# Altium PCB PCB v0.2.PcbDoc (part 1 of 2) (continued)
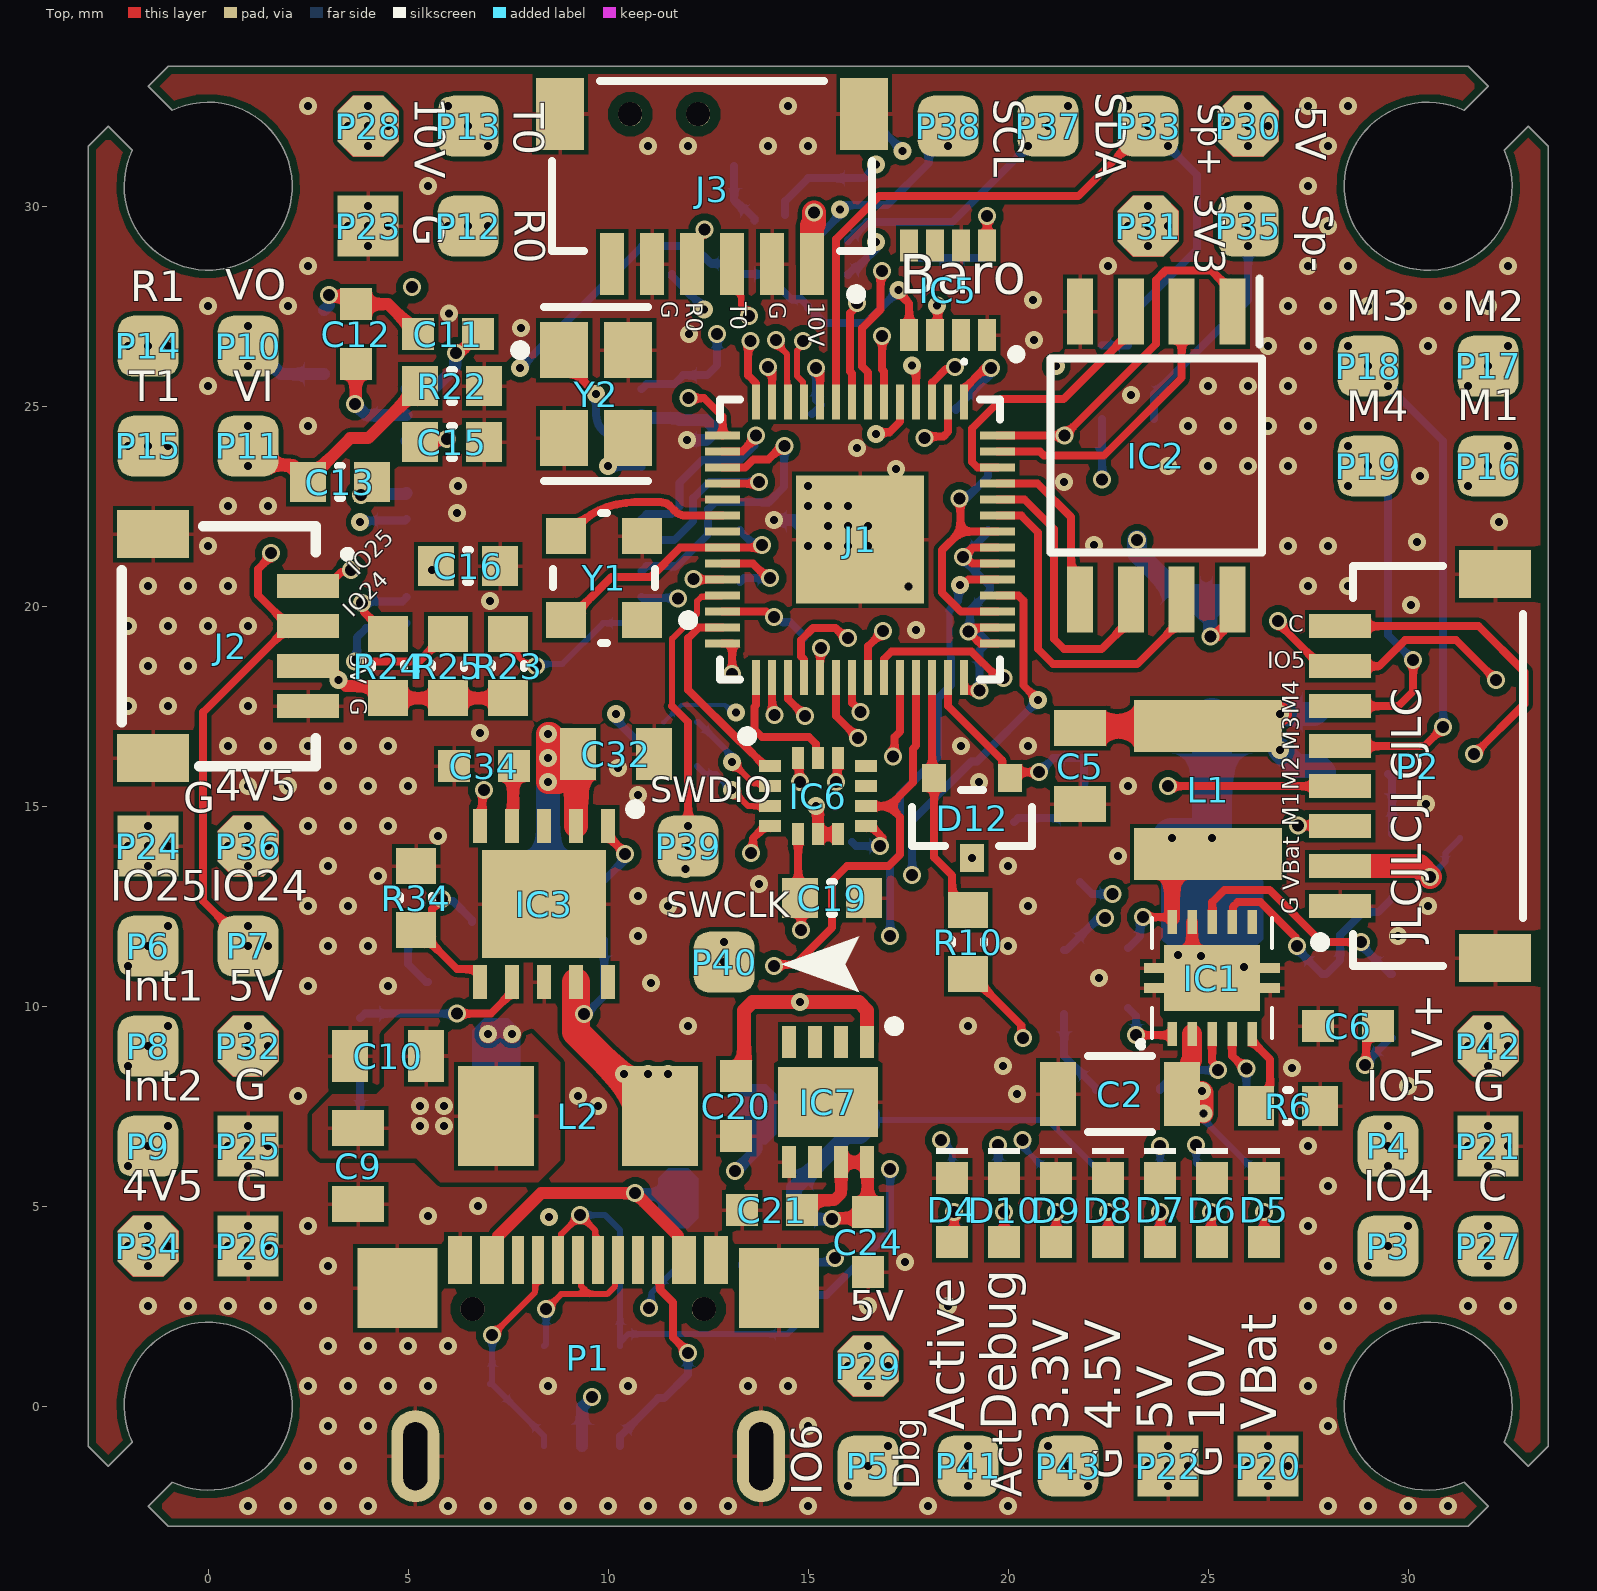
[diagram p0: Top view]
## Components (designator, comment, footprint, x,y, rotation, side; value= is the part's Value field where it differs from the comment) (continued)
R37 "0R" RESC1005X40X25NL05T10 11.8,17.1 r0 bottom
R38 "1K" RESC0603(1608)_N 31.3,15 r270 bottom
R39 "0R" RESC1005X40X25NL05T10 11.8,16 r0 bottom
R40 "1K" RESC1005X40X25NL05T10 14.023,29.777 r0 bottom
S1 "Tactile Switch" "Tactile Switch" 11.4,31 r0 bottom
U1 "SN74AHC1G00QDCKRQ1" FP-DCK0005A-IPC_A 23,25.6 r270 bottom
Y1 "DSC1001CI1-025.0000" FP-CDFN3225-4LD-PL-1-MFG 9.9,20.7 r90 top
Y2 "NX3225SA-12.000M-STD-CRS-2" FP-NX3225SA-MFG 9.7,25.3 r270 top

## Footprints (in the part's own frame and the unit in brackets; to place one, negate y for a bottom-side part, rotate by r counter-clockwise, add the part's x,y. Pads: shape width x height; smd on the part's side, far side on the other; paste and mask are expansions set on the pad)
CAPC0603(1608)55_N#1 [mm] "Chip Capacitor, Body 1.6x0.8mm, Height 0.55mm, IPC Medium Density"
  rect 0.9x1 smd: 1(-0.8,0) 2(0.8,0)
  silkscreen extent -0.05,-0.4 0.05,0.4, body extent -0.87,-0.48 0.88,0.47, height 0.55
CAPC0603(1608)55_N#2 [mm] "Chip Capacitor, Body 1.6x0.8mm, Height 0.55mm, IPC Medium Density"
  rect 0.9x1 smd: 1(-0.8,0)
  rect 0.8x1 smd: 2(0.85,0)
  silkscreen extent -0.05,-0.4 0.05,0.4, body extent -0.87,-0.48 0.88,0.47, height 0.55
FAUL0518-2R2MT [mm]
  rect 2.5x1.9 smd: 1(0,2.05) 2(0,-2.05)
  body extent -2.6,-2.7 2.6,2.7, height 1.6
FP-CDFN3225-4LD-PL-1-MFG [mm]
  rect 0.9x1 smd paste+0 mask+0: 1(-1.05,-0.95) 2(1.05,-0.95) 3(1.05,0.95) 4(-1.05,0.95)
  silkscreen extent -1.63,-2.23 1.63,1.28, body extent -1.73,-1.55 1.73,1.55, height 0.25
FP-DCK0005A-IPC_A [mm]
  rect 1.677x0.416 smd paste+0 mask+0: 1(-0.914,0.65)
  rrect100% 1.677x0.416 smd paste+0 mask+0: 2(-0.914,0) 3(-0.914,-0.65) 4(0.914,-0.65) 5(0.914,0.65)
  silkscreen extent -2.45,-1.25 1.05,1.25
FP-NX3225SA-MFG [mm]
  rect 1.4x1.2 smd paste+0 mask+0: 1(-1.1,-0.8) 2(1.1,-0.8) 3(1.1,0.8) 4(-1.1,0.8)
  silkscreen extent -2.17,-2.02 2.17,1.3, body extent -1.9,-1.5 1.9,1.5, height 0.25
FP-SOT23-MFG [mm]
  rect 0.7x0.6 smd paste-1000 mask+0: 1(-1,0.95) 2(-1,-0.95) 3(1,0)
  silkscreen extent -0.7,-1.5 0.7,1.5, body extent -1.5,-1.65 1.5,1.65, height 0.25
GT-USB-7047B [mm]
  rect 0.6x1.2 smd: 1(-3.2,4.9) 2(-2.4,4.9) 11(2.4,4.9) 12(3.2,4.9)
  rect 0.3x1.2 smd: 3(-1.75,4.9) 4(-1.25,4.9) 5(-0.75,4.9) 6(-0.25,4.9) 7(0.25,4.9) 8(0.75,4.9) 9(1.25,4.9) 10(1.75,4.9)
  oval 1.2x2.3 hole 0.6 slot 1.7 at 90 deg: 13(-4.32,0) 14(4.32,0)
  rect 2x2 smd: 15(-4.77,4.2) 16(4.77,4.2)
  round 0.6 hole 0.6 unplated: 17(-2.89,3.68) 17(2.89,3.68)
  body extent -4.3,-1.2 4.4,4.9, height 2.4
GZP6816D [mm]
  rect 0.8x0.45 smd: 1(1.125,0.975) 2(1.125,0.325) 3(1.125,-0.325) 4(1.125,-0.975) 5(-1.117,-0.975) 6(-1.117,-0.325) 7(-1.117,0.325) 8(-1.117,0.975)
  silkscreen extent 1.5,1.6 1.7,1.8
JST-SM06B-SRSS-TB_V [mm] "SMD, 6-Leads, Body 8x4.25mm, Pitch 1mm"
  rect 0.6x1.55 smd: 1(-2.5,2.45) 2(-1.5,2.45) 3(-0.5,2.45) 4(0.5,2.45) 5(1.5,2.45) 6(2.5,2.45)
  rect 1.2x1.8 smd: MP1(-3.8,-1.3) MP2(3.8,-1.3)
  silkscreen extent -4,-2.12 4,3.32, body extent -4,-2.12 4,2.83, height 2.96
JST-SM08B-SRSS-TB_V [mm] "SMD, 8-Leads, Body 10x4.25mm, Pitch 1mm"
  rect 0.6x1.55 smd: 1(-3.5,2.45) 2(-2.5,2.45) 3(-1.5,2.45) 4(-0.5,2.45) 5(0.5,2.45) 6(1.5,2.45) 7(2.5,2.45) 8(3.5,2.45)
  rect 1.2x1.8 smd: MP1(-4.8,-1.425) MP2(4.8,-1.425)
  silkscreen extent -5,-2.12 5,3.07, body extent -5,-2.12 5,2.83, height 2.96
MAI4020S-4R7MT [mm]
  rect 3.7x1.3 smd: 1(0,1.6) 2(0,-1.6)
  body extent -2,-2 2,2, height 2
QFN50P300X250X87-14N [mm]
  rect 0.55x0.3 smd: 1(-1.2,0.75) 2(-1.2,0.25) 3(-1.2,-0.25) 4(-1.2,-0.75) 8(1.2,-0.75) 9(1.2,-0.25) 10(1.2,0.25) 11(1.2,0.75)
  rect 0.3x0.55 smd: 5(-0.5,-0.95) 6(0,-0.95) 7(0.5,-0.95) 12(0.5,0.95) 13(0,0.95) 14(-0.5,0.95)
  silkscreen extent -1.9,1.38 -1.65,1.62, body extent -1.55,-1.3 1.55,1.3, height 0.87
RESC0603(1608)_N [mm] "Chip Resistor, Body 1.6x0.8mm, IPC Medium Density"
  rect 0.9x1 smd: 1(-0.8,0) 2(0.8,0)
  silkscreen extent -0.05,-0.4 0.05,0.4, body extent -0.85,-0.47 0.85,0.47, height 0.6
RESC1005X40X25NL05T10 [mm] "Chip Resistor, 2-Leads, Body 1.00x0.50mm, IPC Medium Density"
  rect 0.6x0.55 smd: 1(-0.425,0) 2(0.425,0)
  body extent -0.53,-0.27 0.53,0.28, height 0.4
SC091413 [mm]
  rect 0.875x0.2 smd: 1(-3.438,2.6) 2(-3.438,2.2) 3(-3.438,1.8) 4(-3.438,1.4) 5(-3.438,1) 6(-3.438,0.6) 7(-3.438,0.2) 8(-3.438,-0.2) 9(-3.438,-0.6) 10(-3.438,-1) 11(-3.438,-1.4) 12(-3.438,-1.8) 13(-3.438,-2.2) 14(-3.438,-2.6) 29(3.438,-2.6) 30(3.438,-2.2) 31(3.438,-1.8) 32(3.438,-1.4) 33(3.438,-1) 34(3.438,-0.6) 35(3.438,-0.2) 36(3.438,0.2) 37(3.438,0.6) 38(3.438,1) 39(3.438,1.4) 40(3.438,1.8) 41(3.438,2.2) 42(3.438,2.6)
  rect 0.2x0.875 smd: 15(-2.6,-3.438) 16(-2.2,-3.438) 17(-1.8,-3.438) 18(-1.4,-3.438) 19(-1,-3.438) 20(-0.6,-3.438) 21(-0.2,-3.438) 22(0.2,-3.438) 23(0.6,-3.438) 24(1,-3.438) 25(1.4,-3.438) 26(1.8,-3.438) 27(2.2,-3.438) 28(2.6,-3.438) 43(2.6,3.438) 44(2.2,3.438) 45(1.8,3.438) 46(1.4,3.438) 47(1,3.438) 48(0.6,3.438) 49(0.2,3.438) 50(-0.2,3.438) 51(-0.6,3.438) 52(-1,3.438) 53(-1.4,3.438) 54(-1.8,3.438) 55(-2.2,3.438) 56(-2.6,3.438)
  rect 3.2x3.2 smd: 57(0,0)
  silkscreen extent -4.5,-3.5 3.5,3.5, body extent -3.86,-3.86 3.86,3.86, height 1
SL16 [mm]
  round 0.025 smd: 1(-1.45,0)
  rect 1x1.5 smd: 2(1.45,0)
  Top region: -1.95,-0.5 -1.7,-0.75 -1.2,-0.75 -0.95,-0.5 -0.95,0.5 -1.2,0.75 -1.7,0.75 -1.95,0.5
  silkscreen extent 2.2,-0.9 2.2,0.9, body extent -1.4,-0.95 1.4,0.95, height 1.1
SM04B-SRSS-TB(LFSN) [mm]
  rect 0.6x1.55 smd: 1(1.5,4.661) 2(2.5,4.661) 3(3.5,4.661) 4(4.5,4.661)
  rect 1.2x1.8 smd: 5(0.2,0.786) 6(5.8,0.786)
  silkscreen extent 0,0 6,5.7, body extent 0,0.28 6,5.23, height 2.97
SOIC127P790X216-8N [mm]
  rect 1.65x0.65 smd: 1(-3.6,1.905) 2(-3.6,0.635) 3(-3.6,-0.635) 4(-3.6,-1.905) 5(3.6,-1.905) 6(3.6,-0.635) 7(3.6,0.635) 8(3.6,1.905)
  silkscreen extent -4.43,-2.64 2.42,2.64, body extent -3.95,-2.64 3.95,2.64, height 2.16
"solder pad double sided chamfered" [mil]
  oct 60x60 smd: 1(0,0)
  round 1 smd far side: 2(0,0)
  Top region: -15,-30 -30,-15 -30,15 -15,30 15,30 30,15 30,-15 15,-30
  Bottom region: -15,-30 -30,-15 -30,15 -15,30 15,30 30,15 30,-15 15,-30
"solder pad double sided rounded - duplicate" [mil]
  rrect50% 60x60 smd: 1(0,0)
  rrect50% 60x60 smd far side: 2(0,0)
"solder pad double sided square" [mil]
  rect 60x60 smd: 1(0,0)
  rect 60x60 smd far side: 2(0,0)
SON65P300X300X100-9N-D [mm]
  rect 0.8x0.35 smd: 1(-1.5,0.975) 2(-1.5,0.325) 3(-1.5,-0.325) 4(-1.5,-0.975) 5(1.5,-0.975) 6(1.5,-0.325) 7(1.5,0.325) 8(1.5,0.975)
  rect 1.75x2.5 smd: 9(0,0)
  silkscreen extent -2.02,1.53 -1.78,1.78, body extent -1.5,-1.5 1.5,1.5, height 1
SON80P400X400X80-11N [mm]
  rect 0.85x0.35 smd: 1(-1.95,1.6) 2(-1.95,0.8) 3(-1.95,0) 4(-1.95,-0.8) 5(-1.95,-1.6) 6(1.95,-1.6) 7(1.95,-0.8) 8(1.95,0) 9(1.95,0.8) 10(1.95,1.6)
  rect 2.7x3.1 smd: 11(0,0)
  silkscreen extent -2.5,2.15 -2.25,2.4, body extent -2,-2 2,2, height 0.8
SOP65P640X120-29N [mm]
  rect 1.475x0.45 smd: 1(-2.938,4.225) 4(-2.938,2.275) 5(-2.938,1.625) 6(-2.938,0.975) 7(-2.938,0.325) 8(-2.938,-0.325) 9(-2.938,-0.975) 10(-2.938,-1.625) 11(-2.938,-2.275) 12(-2.938,-2.925) 13(-2.938,-3.575) 14(-2.938,-4.225) 15(2.938,-4.225) 16(2.938,-3.575) 17(2.938,-2.925) 18(2.938,-2.275) 19(2.938,-1.625) 20(2.938,-0.975) 21(2.938,-0.325) 22(2.938,0.325) 23(2.938,0.975) 24(2.938,1.625) 25(2.938,2.275) 26(2.938,2.925) 27(2.938,3.575) 28(2.938,4.225)
  rect 1.275x0.45 smd: 2(-3.038,3.575) 3(-3.038,2.925)
  rect 2.75x6.2 smd: 29(0,0)
  silkscreen extent -3.67,4.8 -2.2,4.8, body extent -3.2,-4.85 3.2,4.85, height 1.2
SS54F [mm]
  round 0.025 smd: 1(-1.8,0)
  rect 1.2x1.6 smd: 2(1.8,0)
  Top region: -2.4,-0.5 -2.1,-0.8 -1.5,-0.8 -1.2,-0.5 -1.2,0.5 -1.5,0.8 -2.1,0.8 -2.4,0.5
  silkscreen extent 2.7,-0.9 2.7,0.9, body extent -1.85,-1.35 1.85,1.35, height 1.1
SSL36BF [mm]
  round 0.025 smd: 1(-2.4,0)
  rect 1.8x2.54 smd: 2(2.4,0)
  Top region: -3.3,-1.09 -3.12,-1.27 -1.68,-1.27 -1.5,-1.09 -1.5,1.09 -1.68,1.27 -3.12,1.27 -3.3,1.09
  silkscreen extent 3.8,-1.3 3.8,1.3, body extent -2.2,-1.85 2.2,1.85, height 1.3
"Tactile Switch" [mm]
  rect 0.7x1.1 smd: 1(-1.75,0) 2(1.75,0)
  rect 0.6x1.2 smd: 3(-2.2,-1.45) 4(2.2,-1.45)
  round 0.6 hole 0.6 unplated: ""(-0.85,-1.3) ""(0.85,-1.3)
TPS54040ADRCT [mm]
  rect 0.6x0.24 smd: 1(-1.4,1) 2(-1.4,0.5) 3(-1.4,0) 4(-1.4,-0.5) 5(-1.4,-1) 6(1.4,-1) 7(1.4,-0.5) 8(1.4,0) 9(1.4,0.5) 10(1.4,1)
  rect 1.65x2.4 smd: 11(0,0)
  rect 0.25x0.5 smd: 12(-0.25,-1.45) 13(0.25,-1.45) 14(0.25,1.45) 15(-0.25,1.45)
  silkscreen extent -1.71,-1.5 1.5,1.83, body extent -1.5,-1.5 1.5,1.5, height 1
WCAP-CSGP_0603_L1.6W0.8H0.8_Reflow [mm] "Ceramic Capacitors, body 1.6x0.8mm"
  rect 0.8x0.8 smd: 1(-0.75,0) 2(0.75,0)
  body extent -0.8,-0.4 0.8,0.4, height 0.8
WCAP-CSGP_0805_L2W1.25H1.25 [mm] "Ceramic Capacitors, body 2x1.25mm"
  rect 0.9x1.3 smd: 1(-0.95,0) 2(0.95,0)
  body extent -1,-0.63 1,0.63, height 1.25
WCAP-CSGP_1206_L3.2W1.6H1.6 [mm] "Ceramic Capacitors, body 3.2x1.6mm"
  rect 0.9x1.6 smd: 1(-1.55,0) 2(1.55,0)
  silkscreen extent -0.8,-0.95 0.8,0.95, body extent -1.6,-0.8 1.6,0.8, height 1.6
WE-TVS_SOT23-6L [mm] "TVS Diode, package SOT23-6L"
  rect 0.6x1.1 smd: 1(-0.95,-1.25) 2(0,-1.25) 3(0.95,-1.25) 4(0.95,1.25) 5(0,1.25) 6(-0.95,1.25)
  silkscreen extent -1.72,-1.37 1.45,0.45, body extent -1.45,-1.4 1.45,1.4, height 1.16
WL-SMCW_0603_150060xx75000 [mm] "SMD Mono-color Chip LED, body 1.6x0.8mm"
  rect 0.8x0.8 smd: 1(-0.8,0) 2(0.8,0)
  silkscreen extent -1.55,-0.4 -1.4,0.4, body extent -0.8,-0.4 0.8,0.4, height 0.7

## Part data
C1 C7: library part 885012206046, "WCAP-CSGP Multilayer Ceramic Chip Capacitor, General Purpose, size 0603, X7R, 100nF, 16VDC", Capacitance Tolerance=+/-10%, Case/Size Code=0603, Insulation Resistance=5GΩ, Manufacturer="Wurth Elektronik", Operating Temperature Max=125°C, Operating Temperature Min=-55°C, Rated Voltage (DC)=16V, Capacitance=100nF, Category="Multilayer Ceramic Chip Capacitors", Ceramic Type=X7R, ComponentLink1Description="Website Link", ComponentLink1URL=https://www.we-online.com/redexpert/article/885012206046?ad, ComponentLink2Description="Datasheet Link", ComponentLink2URL=https://www.we-online.com/redexpert/spec/885012206046?ad, Dissipation Factor=3.5%, Height=0.8mm, Length=1.6mm, Manufacturer Part Number=885012206046, Match Code=WCAP-CSGP, Mount="Surface Mount", Packaging="Tape and Reel", Technical Reference=X7R0603104K016DFCT10000, Width=0.8mm
C2: library part 885012208124, "TDK C3216X7S2A335KT000N / 3.3µF MLCC 1206 100V X7S", Capacitance=2.2µF, Capacitance Tolerance=+/-10%, Case/Size Code=1206, Insulation Resistance=0.05GΩ, Manufacturer="Wurth Elektronik", Operating Temperature Max=125°C, Operating Temperature Min=-55°C, Rated Voltage (DC)=100V, Category="Multilayer Ceramic Chip Capacitors", Ceramic Type=X7R, ComponentLink1Description="Website Link", ComponentLink1URL=https://www.we-online.com/redexpert/article/885012208124?ad, ComponentLink2Description="Datasheet Link", ComponentLink2URL=https://www.we-online.com/redexpert/spec/885012208124?ad, Dissipation Factor=5%, Height=1.6mm, Length=3.2mm, Manufacturer Part Number=885012208124, Match Code=WCAP-CSGP, Mount="Surface Mount", Packaging="Tape and Reel", Technical Reference=X7R1206225K100DFCT10000, Width=1.6mm
C3 C34: library part 885012206040, "WCAP-CSGP Multilayer Ceramic Chip Capacitor, General Purpose, size 0603, X7R, 10nF, 16VDC", Capacitance Tolerance=+/-10%, Case/Size Code=0603, Insulation Resistance=10GΩ, Manufacturer="Wurth Elektronik", Operating Temperature Max=125°C, Operating Temperature Min=-55°C, Rated Voltage (DC)=16V, Capacitance=10nF, Category="Multilayer Ceramic Chip Capacitors", Ceramic Type=X7R, ComponentLink1Description="Website Link", ComponentLink1URL=https://www.we-online.com/redexpert/article/885012206040?ad, ComponentLink2Description="Datasheet Link", ComponentLink2URL=https://www.we-online.com/redexpert/spec/885012206040?ad, Dissipation Factor=3.5%, Height=0.8mm, Length=1.6mm, Manufacturer Part Number=885012206040, Match Code=WCAP-CSGP, Mount="Surface Mount", Packaging="Tape and Reel", Technical Reference=X7R0603103K016DFCT10000, Width=0.8mm
C4 C5 C8 C9 C10 C31: library part 885012107013, "CL21A475KAQNNNG", Capacitance Tolerance=+/-20%, Case/Size Code=0805, Insulation Resistance=0.02GΩ, Manufacturer="Wurth Elektronik", Operating Temperature Max=85°C, Operating Temperature Min=-55°C, Rated Voltage (DC)=16V, Capacitance=4.7µF, Category="Multilayer Ceramic Chip Capacitors", Ceramic Type=X5R, ComponentLink1Description="Website Link", ComponentLink1URL=https://www.we-online.com/redexpert/article/885012107013?ad, ComponentLink2Description="Datasheet Link", ComponentLink2URL=https://www.we-online.com/redexpert/spec/885012107013?ad, Dissipation Factor=10%, Height=1.25mm, Length=2mm, Manufacturer Part Number=885012107013, Match Code=WCAP-CSGP, Mount="Surface Mount", Packaging="Tape and Reel", Technical Reference=X5R0805475M016DFCT10000, Width=1.25mm
C6 C35: library part 885012006030, "TCC0603COG2R5C500CT", Capacitance=4.7pF, Capacitance Tolerance=+/-0.5pF, Case/Size Code=0603, Insulation Resistance=10GΩ, Manufacturer="Wurth Elektronik", Operating Temperature Max=125°C, Operating Temperature Min=-55°C, Rated Voltage (DC)=25V, Category="Multilayer Ceramic Chip Capacitors", Ceramic Type=NP0, ComponentLink1Description="Website Link", ComponentLink1URL=https://www.we-online.com/redexpert/article/885012006030?ad, ComponentLink2Description="Datasheet Link", ComponentLink2URL=https://www.we-online.com/redexpert/spec/885012006030?ad, Height=0.8mm, Length=1.6mm, Manufacturer Part Number=885012006030, Match Code=WCAP-CSGP, Mount="Surface Mount", Packaging="Tape and Reel", Q Factor=494, Technical Reference=NP006034R7D025DFCT10000, Width=0.8mm
C11 C12: library part 885012106031, "WCAP-CSGP Multilayer Ceramic Chip Capacitor, General Purpose, size 0603, X5R, 10µF, 25VDC", Capacitance Tolerance=+/20%, Case/Size Code=0603, Insulation Resistance=0.01GΩ, Manufacturer="Wurth Elektronik", Operating Temperature Max=85°C, Operating Temperature Min=-55°C, Rated Voltage (DC)=25V, Capacitance=10µF, Category="Multilayer Ceramic Chip Capacitors", Ceramic Type=X5R, ComponentLink1Description="Website Link", ComponentLink1URL=https://www.we-online.com/redexpert/article/885012106031?ad, ComponentLink2Description="Datasheet Link", ComponentLink2URL=https://www.we-online.com/redexpert/spec/885012106031?ad, Dissipation Factor=20%, Height=0.8mm, Length=1.6mm, Manufacturer Part Number=885012106031, Match Code=WCAP-CSGP, Mount="Surface Mount", Packaging="Tape and Reel", Technical Reference=X5R0603106M025DFCT10000, Width=0.8mm
C13 C14 C15 C16 C17 C18 C19 C25 C26 C27 C28 C29 C30 C37 C38 C39 C40 C42: library part "Cap 100n", "Keramikvielschichtkondensator, SMD, Baureihe MC, ± 20%", Manufacturer=Multicomp, OC_FARNELL=1759038, PackageReference=0603
C20 C21: library part 885012206026, "WCAP-CSGP Multilayer Ceramic Chip Capacitor, General Purpose, size 0603, X7R, 1µF, 10VDC", Capacitance Tolerance=+/-10%, Case/Size Code=0603, Insulation Resistance=0.1GΩ, Manufacturer="Wurth Elektronik", Operating Temperature Max=125°C, Operating Temperature Min=-55°C, Rated Voltage (DC)=10V, Capacitance=1µF, Category="Multilayer Ceramic Chip Capacitors", Ceramic Type=X7R, ComponentLink1Description="Website Link", ComponentLink1URL=https://www.we-online.com/redexpert/article/885012206026?ad, ComponentLink2Description="Datasheet Link", ComponentLink2URL=https://www.we-online.com/redexpert/spec/885012206026?ad, Dissipation Factor=10%, Height=0.8mm, Length=1.6mm, Manufacturer Part Number=885012206026, Match Code=WCAP-CSGP, Mount="Surface Mount", Packaging="Tape and Reel", Technical Reference=X7R0603105K010DFCT10000, Width=0.8mm
C22 C24: library part 885012106017, "WCAP-CSGP Multilayer Ceramic Chip Capacitor, General Purpose, size 0603, X5R, 1µF, 16VDC", Capacitance Tolerance=+/-20%, Case/Size Code=0603, Insulation Resistance=0.1GΩ, Manufacturer="Wurth Elektronik", Operating Temperature Max=85°C, Operating Temperature Min=-55°C, Rated Voltage (DC)=16V, Capacitance=1µF, Category="Multilayer Ceramic Chip Capacitors", Ceramic Type=X5R, ComponentLink1Description="Website Link", ComponentLink1URL=https://www.we-online.com/redexpert/article/885012106017?ad, ComponentLink2Description="Datasheet Link", ComponentLink2URL=https://www.we-online.com/redexpert/spec/885012106017?ad, Dissipation Factor=10%, Height=0.8mm, Length=1.6mm, Manufacturer Part Number=885012106017, Match Code=WCAP-CSGP, Mount="Surface Mount", Packaging="Tape and Reel", Technical Reference=X5R0603105M016DFCT10000, Width=0.8mm
C32 C33: library part 885012107013, "CL21B225KBYNNNE", Capacitance=4.7µF, Capacitance Tolerance=+/-20%, Case/Size Code=0805, Insulation Resistance=0.02GΩ, Manufacturer="Wurth Elektronik", Operating Temperature Max=85°C, Operating Temperature Min=-55°C, Rated Voltage (DC)=16V, Category="Multilayer Ceramic Chip Capacitors", Ceramic Type=X5R, ComponentLink1Description="Website Link", ComponentLink1URL=https://www.we-online.com/redexpert/article/885012107013?ad, ComponentLink2Description="Datasheet Link", ComponentLink2URL=https://www.we-online.com/redexpert/spec/885012107013?ad, Dissipation Factor=10%, Height=1.25mm, Length=2mm, Manufacturer Part Number=885012107013, Match Code=WCAP-CSGP, Mount="Surface Mount", Packaging="Tape and Reel", Technical Reference=X5R0805475M016DFCT10000, Width=1.25mm
D3: library part 824015043, "Shenzhen JingYang TT0514VL", (Reverse) Breakdown Voltage=4.5V, (Reverse) Peak Pulse Current=30A, Case/Size Code=SOT23-6L, Channel ESD Clamping Voltage=7.5V, Channel Input Capacitance=2pF, Channel Reverse Leakage Current=1µA, Manufacturer="Wurth Elektronik", Operating Temperature Max=125°C, Operating Temperature Min=-55°C, Category="ESD Protection", Channel Operating Voltage=3.3V, ComponentLink1Description="Website Link", ComponentLink1URL=https://www.we-online.com/redexpert/article/824015043?ad, ComponentLink2Description="Datasheet Link", ComponentLink2URL=https://www.we-online.com/redexpert/spec/824015043?ad, ESD Air Discharge Capability=30kV, ESD Contact Discharge Capability=30kV, Height=1.45mm, Length=2.9mm, Manufacturer Part Number=824015043, Match Code=WE-TVS, Mount="Surface Mount", Number of Channels=4+1, Packaging="Tape and Reel", Polarity=Unidirectional, Width=2.8mm
D4 D7 D8: library part 150060YS75000, "WL-SMCW Mono-color Chip LED Waterclear, size 0603, Yellow, 2V, 140°", Case/Size Code=0603, Emitting Color=Yellow, Forward Voltage=2V, Manufacturer="Wurth Elektronik", Operating Temperature Max=85°C, Operating Temperature Min=-40°C, Category="Signal LEDs", Chip Technology=AlInGaP, ComponentLink1Description="Website Link", ComponentLink1URL=https://www.we-online.com/redexpert/article/150060YS75000?ad, ComponentLink2Description="Datasheet Link", ComponentLink2URL=https://www.we-online.com/redexpert/spec/150060YS75000?ad, Dominant Wavelength=590nm, Height=0.7mm, Length=1.6mm, Luminous Intensity=120mcd, Manufacturer Part Number=150060YS75000, Match Code=WL-SMCW, Mount="Surface Mount", Packaging="Tape and Reel", Peak Wavelength=595nm, Viewing Angle=140°, Width=0.8mm
D5: library part 150060RS75000, "WL-SMCW Mono-color Chip LED Waterclear, size 0603, Red, 2V, 140°", Case/Size Code=0603, Emitting Color=Red, Forward Voltage=2V, Manufacturer="Wurth Elektronik", Operating Temperature Max=85°C, Operating Temperature Min=-40°C, Category="Signal LEDs", Chip Technology=AlInGaP, ComponentLink1Description="Website Link", ComponentLink1URL=https://www.we-online.com/redexpert/article/150060RS75000?ad, ComponentLink2Description="Datasheet Link", ComponentLink2URL=https://www.we-online.com/redexpert/spec/150060RS75000?ad, Dominant Wavelength=625nm, Height=0.7mm, Length=1.6mm, Luminous Intensity=250mcd, Manufacturer Part Number=150060RS75000, Match Code=WL-SMCW, Mount="Surface Mount", Packaging="Tape and Reel", Peak Wavelength=630nm, Viewing Angle=140°, Width=0.8mm
D6: library part 150060AS75000, "WL-SMCW Mono-color Chip LED Waterclear, size 0603, Amber, 2V, 140°", Case/Size Code=0603, Emitting Color=Amber, Forward Voltage=2V, Manufacturer="Wurth Elektronik", Operating Temperature Max=85°C, Operating Temperature Min=-40°C, Category="Signal LEDs", Chip Technology=AlInGaP, ComponentLink1Description="Website Link", ComponentLink1URL=https://www.we-online.com/redexpert/article/150060AS75000?ad, ComponentLink2Description="Datasheet Link", ComponentLink2URL=https://www.we-online.com/redexpert/spec/150060AS75000?ad, Dominant Wavelength=605nm, Height=0.7mm, Length=1.6mm, Luminous Intensity=130mcd, Manufacturer Part Number=150060AS75000, Match Code=WL-SMCW, Mount="Surface Mount", Packaging="Tape and Reel", Peak Wavelength=610nm, Viewing Angle=140°, Width=0.8mm
D9 D10: library part 150060BS75000, "WL-SMCW Mono-color Chip LED Waterclear, size 0603, Blue, 3.2V, 140°", Case/Size Code=0603, Emitting Color=Blue, Forward Voltage=3.2V, Manufacturer="Wurth Elektronik", Operating Temperature Max=85°C, Operating Temperature Min=-40°C, Category="Signal LEDs", Chip Technology=InGaN, ComponentLink1Description="Website Link", ComponentLink1URL=https://www.we-online.com/redexpert/article/150060BS75000?ad, ComponentLink2Description="Datasheet Link", ComponentLink2URL=https://www.we-online.com/redexpert/spec/150060BS75000?ad, Dominant Wavelength=470nm, Height=0.7mm, Length=1.6mm, Luminous Intensity=145mcd, Manufacturer Part Number=150060BS75000, Match Code=WL-SMCW, Mount="Surface Mount", Packaging="Tape and Reel", Peak Wavelength=465nm, Viewing Angle=140°, Width=0.8mm
D12: library part CMP-14398-000007-1, "DIODE ARRAY SCHOTTKY 30V SOT23", Ambient Temperature Range High=+150°C, Ambient Temperature Range Low=-55°C, Capacitance=10pF, Forward Current=200mA, Manufacturer=Nexperia, Manufacturer Part Number=BAT54C,215, Max Surge Forward Current=600mA, Package=SOT23, Peak Reverse Current=2uA, Reverse Voltage=30V, Temperature="to +150°C", Automotive=Yes, Automotive Grade="Grade 0", Category=Diode, ComponentLink2Description=Datasheet, ComponentLink2URL=https://assets.nexperia.com/documents/data-sheet/BAT54_SER.pdf, Device Class L1="Discrete Semiconductors", Device Class L2=Diodes, Device Class L3="Schottky Diodes", Digikey Description="DIODE ARRAY SCHOTTKY 30V SOT23", Footprint Url=https://assets.nexperia.com/documents/outline-drawing/SOT23.pdf, Height=1.1mm, Ipc Land Pattern Name=SOT95P230X100-3, Lead Free=Yes, Max Junction Temp=+150°C, Mouser Description="Schottky Diodes, Rectifiers - Arrays SOT-23 (TO-236AB) 30V 200mA (DC) Surface Mount", Octopart=https://octopart.com/bat54c%2C215-nexperia-78738945, RoHS=TRUE, Temperature Range High=+150°C
IC1: "Integrated Circuit", Manufacturer_Name="Texas Instruments", Mouser Part Number=595-TPS54260DRCR, Arrow Part Number=TPS54260DRCR, Arrow Price/Stock=https://www.arrow.com/en/products/tps54260drcr/texas-instruments?region=nac, Datasheet Link=http://www.ti.com/lit/gpn/TPS54040A, Height=1mm, Manufacturer_Part_Number=TPS54260DRCR, Mouser Price/Stock=https://www.mouser.co.uk/ProductDetail/Texas-Instruments/TPS54260DRCR?qs=O1HRStiETChM7xK%2FSiuP6w%3D%3D
IC2: "Integrated Circuit", Manufacturer_Name=Winbond, Mouser Part Number=454-W25Q16JVSSIQ, Arrow Part Number=W25Q16JVSSIQ, Arrow Price/Stock=https://www.arrow.com/en/products/w25q16jvssiq/winbond-electronics?region=nac, Datasheet Link=https://www.winbond.com/hq/search-resource-file.jsp?partNo=W25Q16JVSSIQ&type=datasheet, Height=2.16mm, Manufacturer_Part_Number=W25Q16JVSSIQ, Mouser Price/Stock=https://www.mouser.co.uk/ProductDetail/Winbond/W25Q16JVSSIQ?qs=qSfuJ%252Bfl%2Fd46L%2F1QrQC%2Fog%3D%3D
IC3: "Integrated Circuit", Manufacturer_Name="Texas Instruments", Datasheet Link=http://www.ti.com/lit/gpn/tps54561-q1, Height=0.8mm, Manufacturer_Part_Number=TPS54561-Q1
IC4: "Integrated Circuit", Manufacturer_Name=ICOF, Datasheet Link=https://datasheet.lcsc.com/szlcsc/ZHONGKEWEI-AT7456E_C82351.pdf, Height=1.2mm, Manufacturer_Part_Number=AT7456E
IC6: "Integrated Circuit", Manufacturer_Name=BOSCH, Mouser Part Number=262-BMI270, Arrow Part Number=BMI270, Arrow Price/Stock=https://www.arrow.com/en/products/bmi270/bosch?region=nac, Datasheet Link=https://www.mouser.de/datasheet/2/783/BST-BMI270-FL000-1530947.pdf, Height=0.87mm, Manufacturer_Part_Number=BMI270, Mouser Price/Stock=https://www.mouser.co.uk/ProductDetail/Bosch-Sensortec/BMI270?qs=u16ybLDytRYIj%252BjQEee88A%3D%3D
IC7: "Integrated Circuit", Manufacturer_Name="Texas Instruments", Mouser Part Number=595-TPS78533QWDRBRQ1, Arrow Part Number=TPS78533QWDRBRQ1, Arrow Price/Stock=https://www.arrow.com/en/products/tps78533qwdrbrq1/texas-instruments?region=nac, Datasheet Link=https://www.arrow.com/en/products/tps78533qwdrbrq1/texas-instruments?region=nac, Height=1mm, Manufacturer_Part_Number=TPS78533QWDRBRQ1, Mouser Price/Stock=https://www.mouser.co.uk/ProductDetail/Texas-Instruments/TPS78533QWDRBRQ1?qs=iLbezkQI%252BsiNbdqh2Ko9GQ%3D%3D
J1: "Connector", Manufacturer_Name=RASPBERRY-PI, Manufacturer_Part_Number=SC0914(13), Mouser Part Number=358-SC091413, Datasheet Link=https://datasheets.raspberrypi.com/rp2040/rp2040-datasheet.pdf, Height=0.9mm, Mouser Price/Stock=https://www.mouser.co.uk/ProductDetail/Raspberry-Pi/SC091413?qs=T%252BzbugeAwjhr%252BUbBr3TJcw%3D%3D
J2: "Connector", Arrow Part Number=SM04B-SRSS-TB(LF)(SN), Manufacturer_Name="JST (JAPAN SOLDERLESS TERMINALS)", Arrow Price/Stock=https://www.arrow.com/en/products/sm04b-srss-tb-lf-sn/jst-manufacturing?region=europe, Datasheet Link=http://www.jst-mfg.com/product/pdf/eng/eSH.pdf, Manufacturer_Part_Number=SM04B-SRSS-TB(LF)(SN)
J3: library part CMP-2000-07080-1, "Male Header, Pitch 1 mm, 1 x 6 Position, Height 2.95 mm, -25 to 85 degC, RoHS, Tape and Reel", Manufacturer=JST, Package Description="Male Header, Pitch 1 mm, 1 X 6 Position, Height 2.9 mm", Package Reference=SM06B-SRSS-TB, Datasheet URL=https://datasheet.ciiva.com/26894/getdatasheetpartid-708885-26894671.pdf, Datasheet Version=11/2010, Manufacturer URL=http://www.jst.com/home2.html, Mounting Technology=SurfaceMount, No of Positions=6, Pitch=1mm, Style/Orientation=RightAngleHeader/Plug, Termination=Solder, Type=ShroudedHeader
P2: library part CMP-2000-07082-1, "Male Header, Pitch 1 mm, 1 x 8 Position, Height 2.95 mm, -25 to 85 degC, RoHS, Tape and Reel", Manufacturer=JST, Package Description="Male Header, Pitch 1 mm, 1 x 8 Position, Height 2.95 mm", Package Reference=SM08B-SRSS-TB, Datasheet URL=http://www.jst-mfg.com/product/pdf/eng/eSR.pdf, Datasheet Version=11/2010, Manufacturer URL=http://www.jst.com/home2.html, Mounting Technology=SurfaceMount, No of Positions=8, Pitch=1mm, Style/Orientation=RightAngleHeader/Plug, Termination=Crimp, Type=ShroudedHeader
R1 R11 R28 R30: library part "Res 100K", "Chipwiderstand, SMD, Baureihe MC, 1%", Manufacturer=Multicomp, OC_FARNELL=9330402, PackageReference=0603
R2 R9 R12 R13: library part "Res 12K", "Chipwiderstand, SMD, Baureihe MC, 1%", Manufacturer=Multicomp, OC_FARNELL=9330518, PackageReference=0603
R3 R29 R34: library part "Res 10K", "Chipwiderstand, SMD, Baureihe MC, 1%", Manufacturer=Multicomp, OC_FARNELL=9330399, PackageReference=0603
R4 R5: library part "Res 27R", "Chipwiderstand, Oberflächenmontage, Dickschicht, 27 ohm, 50 V, 0603 [Metrisch 1608], 100 mW, ± 1%", Manufacturer=Multicomp, OC_FARNELL=2447316, PackageReference=0603
R6 R32: library part "Res 47R", "Chipwiderstand, SMD, Baureihe MC, 1%", Manufacturer=Multicomp, OC_FARNELL=1576259, PackageReference=0603
R7 R8: library part "Res 5K6", "Chipwiderstand, SMD, Baureihe MC, 5%", Manufacturer=Multicomp, OC_FARNELL=9332219, PackageReference=0603
R10 R23 R24 R25 R31 R38: library part "Res 1K", "Chipwiderstand, SMD, Baureihe MC, 1%", Manufacturer=Multicomp, OC_FARNELL=9330380, PackageReference=0603
R14: library part "Res 22K", "Chipwiderstand, SMD, Baureihe MC, 1%", Manufacturer=Multicomp, OC_FARNELL=2447299, PackageReference=0603
R15: library part "Res 8K2", "Chipwiderstand, SMD, Baureihe MC, 1%", Manufacturer=Multicomp, OC_FARNELL=9331565, PackageReference=0603
R16 R17: library part "Res 3K3", "Chipwiderstand, SMD, Baureihe MC, 1%", Manufacturer=Multicomp, OC_FARNELL=9331026, PackageReference=0603
R18 R19 R20: library part "Res 150R", "MULTICOMP  MCWR06X1500FTL  Chipwiderstand, Oberflächenmontage, Dickschicht, 150 ohm, 50 V, 0603 [Metrisch 1608], 100 mW, ± 1%", Manufacturer=Multicomp, OC_FARNELL=2447255, PackageReference=0603
R21 R22: library part "Res 750R", "Chipwiderstand, SMD, Baureihe MC, 1%", Manufacturer=Multicomp, OC_FARNELL=9331506, PackageReference=0603
R26 R27: library part "Res 4k7", "Chipwiderstand, SMD, Baureihe MC, 5%", Manufacturer=Multicomp, OC_FARNELL=9332154, PackageReference=0603
R33 R36 R37 R39 R40: library part CMP-1011-00001-2, Manufacturer="Yageo / Phycomp", Part Number=RC0402JR-070RL
R35: library part "Res 0R", "Chipwiderstand, SMD, Baureihe MC, 1%", Manufacturer=Multicomp, OC_FARNELL=9331662, PackageReference=0603
U1: library part CMP-0859-00415-4, "IC GATE NAND 1CH 2-INP SC70-5", Case/Package=SC, High Level Output Current=-8mA, Low Level Output Current=8mA, Max Operating Temperature=125°C, Max Supply Voltage=5.5V, Min Operating Temperature=-40°C, Min Supply Voltage=2V, Package Quantity=1, Quiescent Current=1uA, Lead Free="Lead Free", Logic Function="NAND GATE", Mount="Surface Mount", Number of Bits=1, Number of Circuits=1, Number of Elements=1, Number of Gates=1, Number of Input Lines=2, Number of Inputs=2, Number of Output Lines=1, Number of Outputs=1, Number of Pins=5, Output Current=8mA, Packaging="Tape and Reel", Propagation Delay=7.5ns, Radiation Hardening=No, RoHS Compliant=Yes, Series=74AHC, Technology=CMOS
Y1: library part CMP-06255-000034-1, "MEMS OSC XO 25.0000MHZ CMOS SMD", Case/Package=SMD/SMT, Frequency=25MHz, Frequency Stability=50ppm, Load Capacitance=15pF, Max Operating Temperature=85°C, Max Supply Current=6.3mA, Max Supply Voltage=3.6V, Min Operating Temperature=-40°C, Min Supply Voltage=2.7V, Package Quantity=110, Ratings=AEC-Q100, Height=0.035inch, Length=0.126inch, Max Duty Cycle=55%, Mount="Surface Mount", Number of Pins=4, Packaging=Rail/Tube, Series=DSC1001, Termination=SMD/SMT, Width=0.098inch
Y2: library part CMP-200220-000016-1, Case/Package=SMD/SMT, ESR (Equivalent Series Resistance)=120R, Frequency=12MHz, Frequency Stability=50ppm, Frequency Tolerance=15ppm, Load Capacitance=8pF, Max Operating Temperature=125°C, Min Operating Temperature=-40°C, Ratings=AEC-Q200, Height=0.024inch, Length=0.126inch, Mount="Surface Mount", Packaging="Tape and Reel", RoHS Compliant=Yes, Width=0.098inch

## Via types
v1: diameter 0.45, hole 0.2, Top to Bottom, tented both sides, 260 vias
v2: diameter 0.45, hole 0.2, Top to Bottom, 136 vias
v3: diameter 0.45, hole 0.3, Top to Bottom, tented both sides, 109 vias

## Nets (pads, with @x,y where several pads share a name; then routed paths per layer and width w, separated by ;. In a path a pad name is that pad's centre, name@x,y a point inside that pad or via, vN(x,y) a via of type N, cw(c..) or ccw(c..) an arc to the next point about the centre after c; other vN are vias at no path point)
3V3: C17.1 C18.2 C19.2 C20.2 C25.2 C26.2 C27.2 C28.2 C29.2 C30.2 C37.2 C38.2 C42.2 D12.3 IC2.8 IC5.8 IC6.5 IC6.8 IC7.1 J1.1 J1.10 J1.22 J1.26 J1.33 J1.42 J1.43 J1.44 J1.48 J1.49 P31.1 P31.2 R18.2 R26.2 R27.2 R30.2 U1.5 Y1.4 | length 67.3
  Top w0.2: Y1.4@8.95,19.65 9,19.65 10.081,20.731 11.066,20.731 11.797,21.462 J1.22@12.862,21.462 13.719,21.462 13.782,21.525 v3(13.85,21.525) ; J1.26@12.862,19.862 13.95,19.862 14.081,19.731 v3(14.149,19.731) ; IC6.5@14.75,14.3 14.75,12.75 C19.2@14.8,12.7 14.825,12.675 v3(14.825,11.9) ; v3(15.2,25.95) 15.2,25.882 15.3,25.782 J1.10@15.3,25.1 ; J1.33@15.3,18.224 15.3,18.927 v3(15.326,18.952) ; IC6.8@16.45,14.5 16.575,14.5 16.852,14.223 16.852,14.121 16.798,14.068 v3(16.798,14) ; J1.42@18.9,18.224 18.9,17.89 v3(19.288,17.89) ; J1.1@18.9,25.1 18.9,25.438 19.365,25.902 19.522,25.902 v3(19.57,25.95) ; IC5.8@19.475,29.017 v3(19.475,29.75) ; J1.43@19.738,19.062 19.311,19.062 19.208,19.165 19.201,19.165 v3(19.002,19.363) 19.002,19.371 19.069,19.371 19.16,19.462 J1.44@19.738,19.462 ; J1.48@19.738,21.062 19.106,21.062 18.943,21.225 v3(18.875,21.225) 19.112,21.462 J1.49@19.738,21.462
  Top w0.3: v3(25.051,19.245) 25.08,19.274 25.218,19.274 25.607,19.663 IC2.8@25.607,20.163
  Top w0.35: C20.2@13.2,8.25 13.4,8.45 13.4,9.895 13.605,10.1 v1(14.8,10.1) 16.27,10.1 16.475,9.895 IC7.1@16.475,9.1
  Power w0.35: v1(14.8,10.1) 14.813,10.112 14.813,11.887 v3(14.825,11.9)
  Power w0.5: 20.5,28.5 21.5,29.5 v2(23,29.5) v2(23.5,29.5) ; v2(23.5,29) v2(23.5,29.5) ; v2(23.5,30) v2(23.5,29.5) ; v2(24,29.5) v2(23.5,29.5)
  Signal 1 w0.15: v3(14.825,11.9) 14.882,11.843 15.176,11.843 v3(20.361,6.658)
  Signal 1 w0.2: v1(17.351,31.377) 17.74,30.988 17.74,30.882 18.873,29.75 v3(19.475,29.75)
  Bottom w0.15: v3(20.361,6.658) 20.382,6.636 20.382,6.468 21.15,5.7 R18.2@21.2,5.7
  Bottom w0.2: R26.2@11.6,28.3 11.6,28.25 12.4,27.45 v1(12.4,27.423) ; C27.2@13.3,21.9 13.3,21.875 13.65,21.525 v3(13.85,21.525) ; v3(14.149,19.731) 14.216,19.731 14.347,19.6 14.55,19.6 14.9,19.25 C25.2@14.9,19.2 ; C28.2@15.1,24.8 15.325,25.025 15.2,25.15 v3(15.2,25.95) ; C18.2@16.1,14.1 16.2,14 v3(16.798,14) ; R30.2@16.4,32.3 16.45,32.3 17.351,31.399 v1(17.351,31.377) ; R27.2@17.8,28.7 C17.1@19.4,28.7 19.475,28.775 v3(19.475,29.75) ; C29.2@18.7,24.9 18.7,24.95 19.522,25.772 19.522,25.902 v3(19.57,25.95) ; v3@18.931,19.371 18.938,19.363 19.237,19.363 C42.2@19.5,19.1 19.288,18.888 v3(19.288,17.89) ; v3(19.002,19.363) 19.046,19.408 19.046,19.896 19.55,20.4 C30.2@19.55,20.5 ; C30.2@19.5,20.55 18.875,21.175 v3(18.875,21.225) 19.5,21.85 C26.2@19.5,21.9 ; v3(22.35,23.163) U1.5@22.35,24.686
  Bottom w0.3: C37.2@24.25,20.3 C37.2@24.3,20.3 24.35,20.3 25.022,19.628 25.022,19.274 v3(25.051,19.245) 25.08,19.274 25.08,19.78 25.25,19.95 25.25,20 25.35,20.1 25.55,20.3 C38.2@25.6,20.3
  Bottom w0.5: v3(23.225,21.65) 23.225,21.325 C37.2@24.25,20.3 ; C37.2@24.35,20.3 C38.2@25.55,20.3 ; 24.925,20 25.025,20.1 25.35,20.1 25.4,20.1 C38.2@25.6,20.3
  other v1: 19.1,13.7